# Altium PCB PCB1.PcbDoc
Units mm, origin at the board's own origin, x right, y up, seen from the top; angles counter-clockwise.
Board outline 110 x 70 mm, 2 copper layers (Top Layer, Bottom Layer); 50 components, 54 nets, 251 pads, 0 vias.
Unrouted connection lines stored in the file: 156.
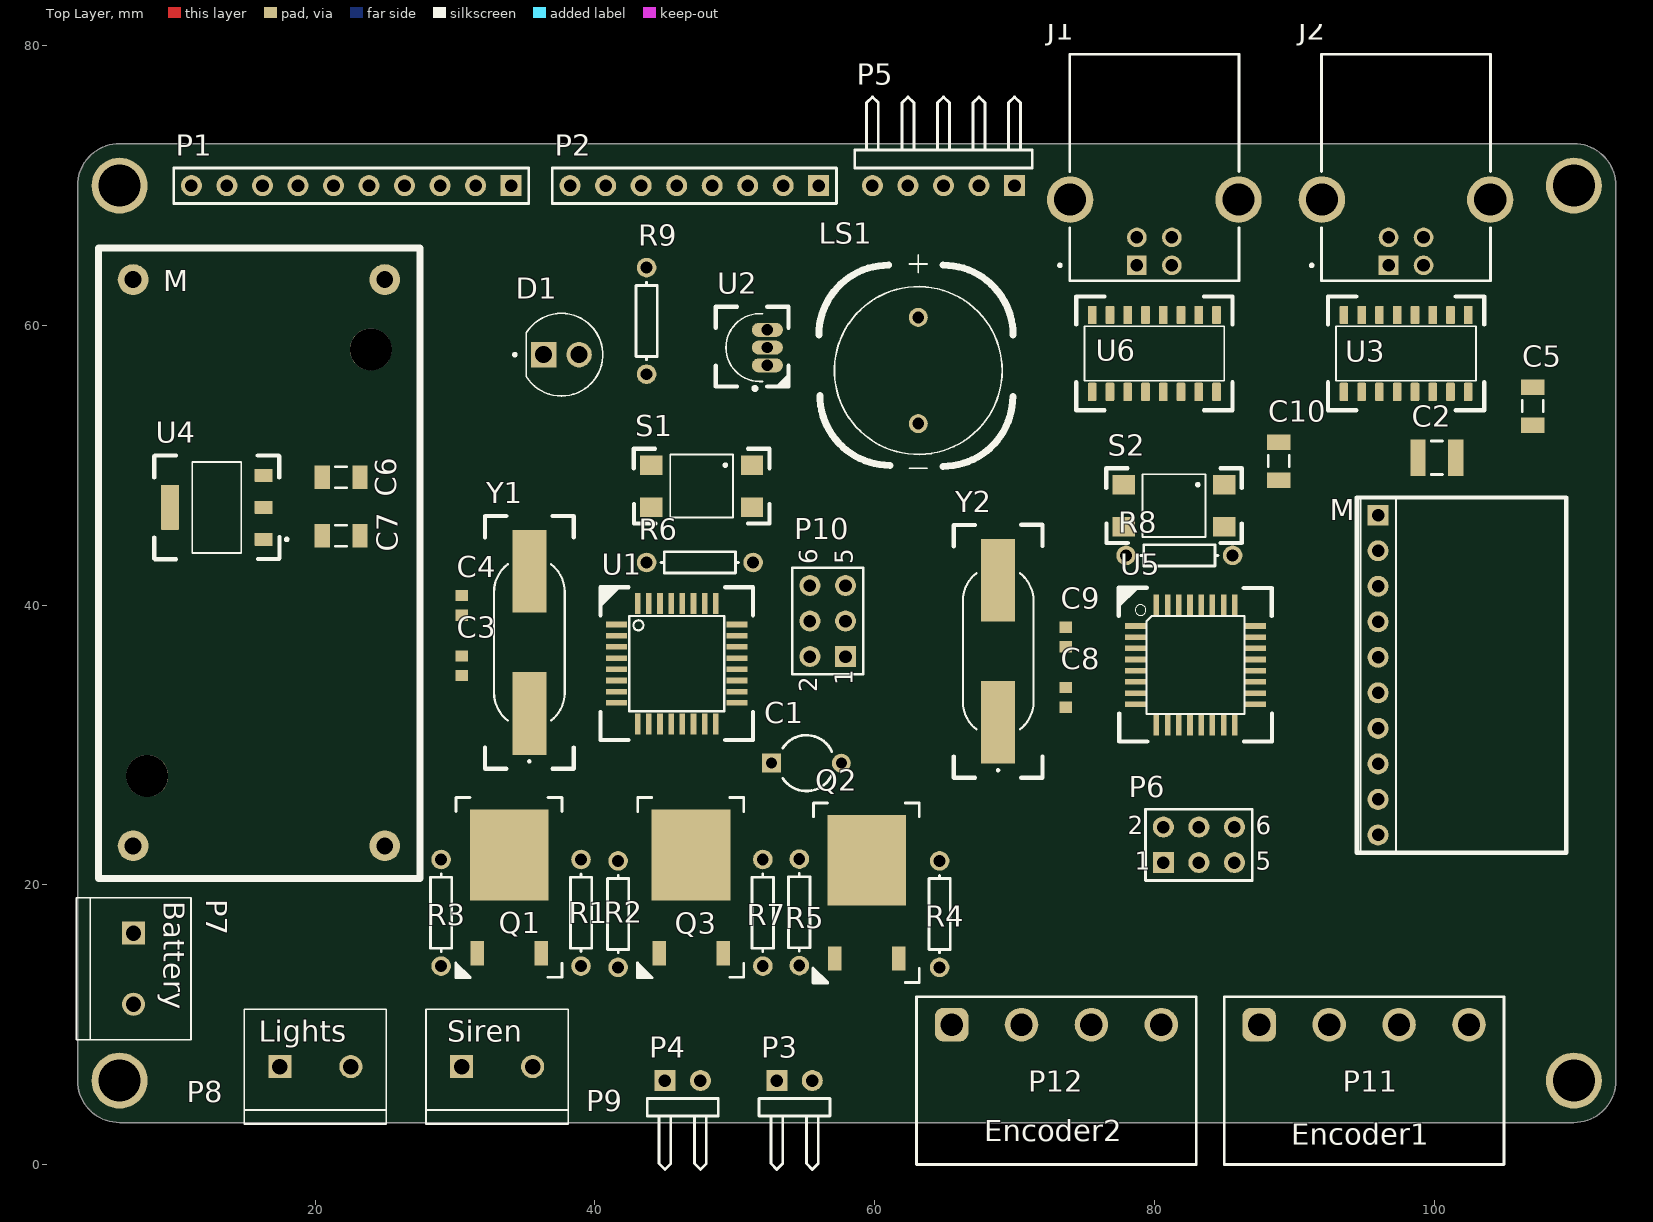
[diagram p0: Top Layer view]
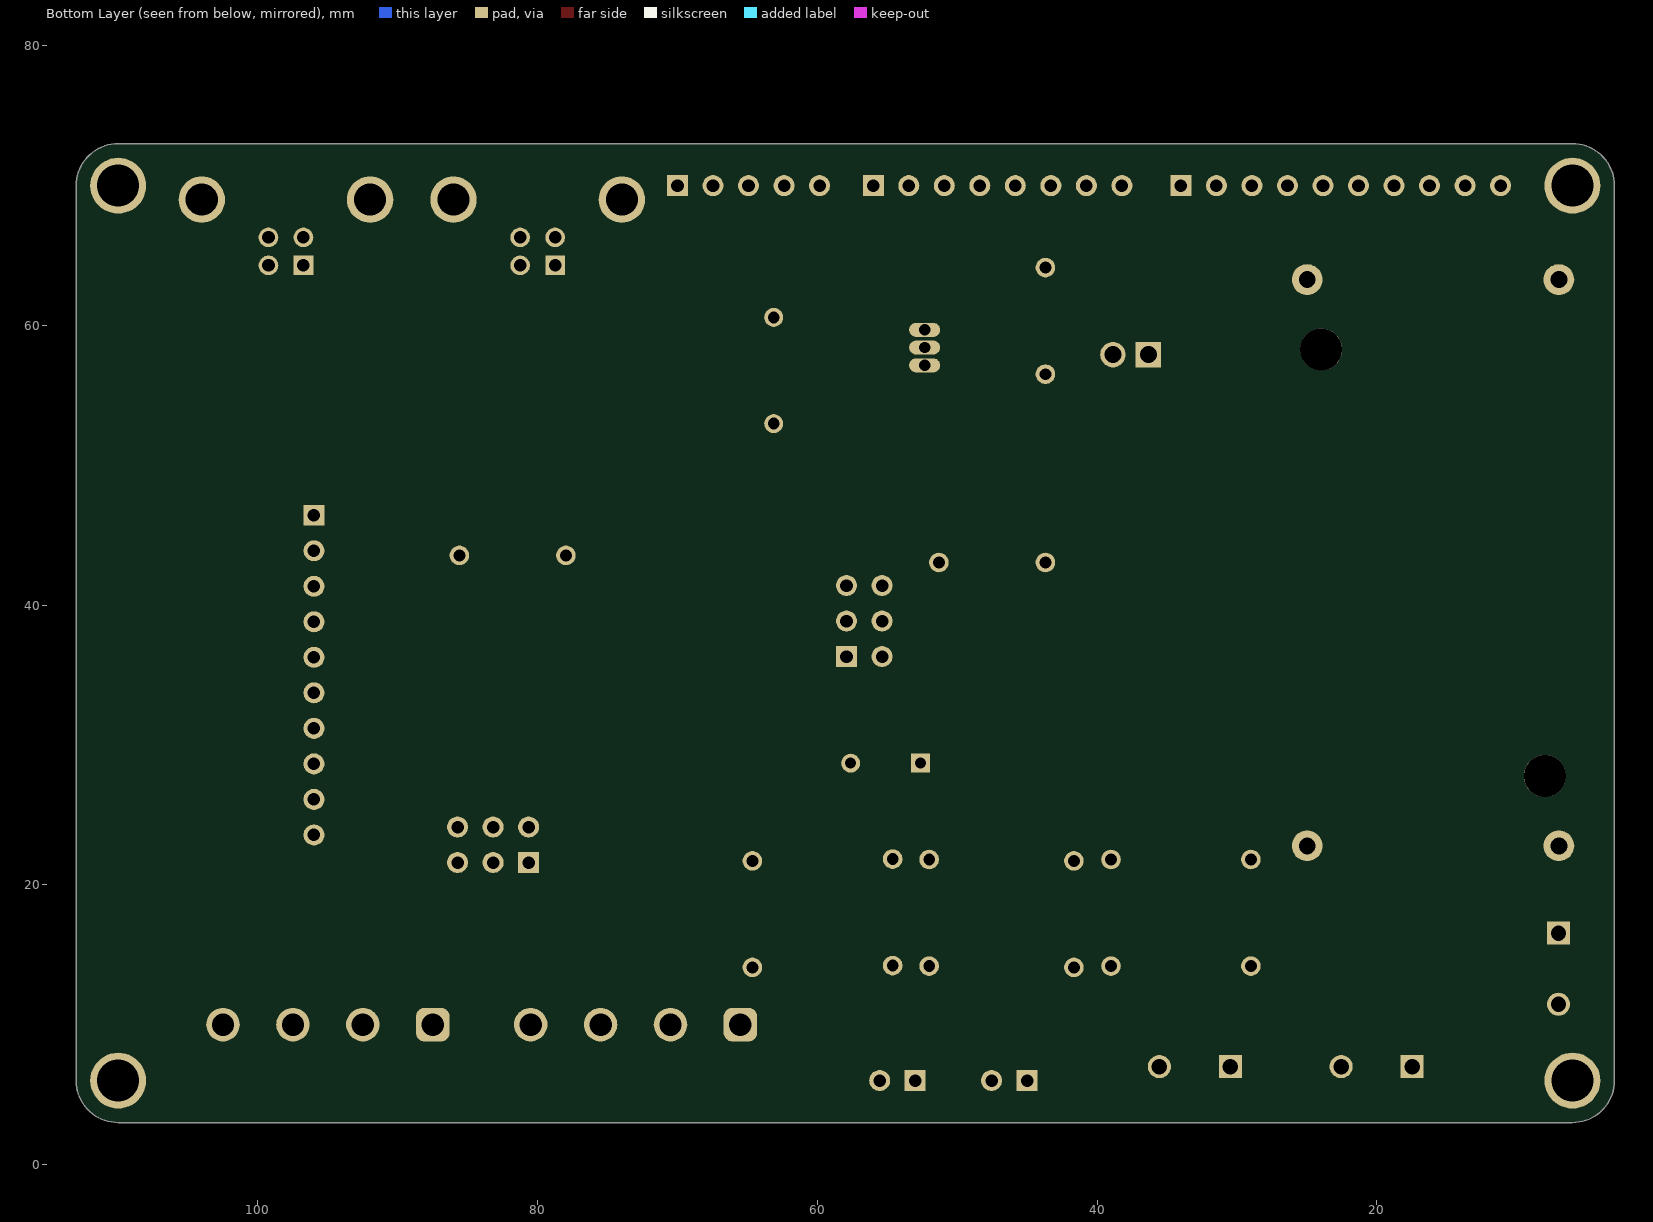
[diagram p1: Bottom Layer view, seen from below]

## Layer stack, top to bottom
Top Solder: solder mask 0.0102, Solder Resist, Dk 3.5
Top Layer: signal copper 0.0356
Dielectric 1: dielectric 0.32, FR-4, Dk 4.8
Bottom Layer: signal copper 0.0356
Bottom Solder: solder mask 0.0102, Solder Resist, Dk 3.5

## Board outline
3,6 3,70 cw(c6,70) 6,73 110,73 cw(c110,70) 113,70 113,6 cw(c110,6) 110,3 6,3 cw(c6,6)

## Design rules (kind name [scope] priority, off if disabled: settings)
Clearance [All] p1: gap=0.6 ignorepadtopadclearanceinfootprint=TRUE
PolygonConnect [All] p1: connectstyle=Relief reliefconductorwidth=0.254 reliefentries=4 polygonreliefangle="90 Angle" airgapwidth=0.254
RoutingVias [All] p1: holewidth=0.711 width=1.27 viastyle="Through Hole" minholewidth=0.711 minwidth=1.27 maxholewidth=0.711 maxwidth=1.27
SolderMaskExpansion [All] p1: expansion=0.102 istentingtop=FALSE
Width [All] p1: maxlimit=1 minlimit=0.4 preferedwidth=0.4
30 further rules are at their usual default settings.

## Classes and differential pairs
component class "Main MCU": C1 C2 C3 C4 C5 C6 C7 D1 J2 LS1 M P1 P2 P3 P4 P5 P6 P7 P8 P9 Q1 Q2 Q3 R1 R2 R3 R4 R5 R6 R7 R9 S1 U1 U2 U3 U4 Y1
component class "Localization MCU": C8 C9 C10 J1 M P10 P11 P12 R8 S2 U5 U6 Y2

## Components (designator, comment, footprint, x,y, rotation, side; value= is the part's Value field where it differs from the comment)
C1 "Cap2" CAPR5-4X5 55.118,28.702 r0 top value=0.1uF
C2 "Cap Semi" C1210 100.203,50.546 r180 top value=10uF
C3 "Cap Semi" 1608[0603] 30.48,35.662 r90 top value=22pF
C4 "Cap Semi" 1608[0603] 30.48,39.98 r90 top value=22pF
C5 "Cap Semi" C1206 107.061,54.229 r270 top value=0.1uF
C6 "Cap" C1206 21.844,49.149 r0 top locked value=10uF
C7 "Cap" C1206 21.844,44.958 r0 top locked value=10uF
C8 "Cap Semi" 1608[0603] 73.66,33.401 r90 top value=22pF
C9 "Cap Semi" 1608[0603] 73.66,37.719 r90 top value=22pF
C10 "Cap Semi" C1206 88.9,50.292 r90 top value=0.1uF
D1 "Power" LEDRD254W57D500H1070 37.592,57.912 r0 top
J1 "USB-B" SAMTEC_USB-B-S-X-X-TH 80,69 r180 top locked
J2 "USB-B" SAMTEC_USB-B-S-X-X-TH 98,69 r180 top locked
LS1 "Buzzer" XDCR_AI-1223-TWT-12V-R 63.119,56.779 r0 top
M "LM2596 Buck Converter" "LM2596 Buck" 16,43 r90 top locked
M "MPU9250 Module" "MPU9250 Module" 96,35 r270 top
P1 "Wireless Hub" HDR1X10 34,70 r180 top locked
P2 "Dashboard" HDR1X8 56,70 r180 top locked
P3 "Header 2H" HDR1X2H 53,6 r0 top
P4 "Header 2H" HDR1X2H 45,6 r0 top
P5 "Motor Driver" HDR1X5H 70,70 r180 top locked
P6 "ISP" HDR2X3 80.645,21.59 r0 top
P7 "Battery" TE_282837-2 7,14 r270 top locked
P8 "Lights" TE_282837-2 20,7 r0 top locked
P9 "Siren" TE_282837-2 33,7 r0 top locked
P10 "ISP" HDR2X3 57.912,36.322 r90 top
P11 "Encoder1" 691312710004 95,6 r0 top
P12 "Encoder2" 691312710004 73,6 r0 top
Q1 "NMOS-2" SM3113 34,22 r0 top
Q2 "NMOS-2" SM3113 59.562,21.625 r0 top
Q3 "NMOS-2" SM3113 47,22 r0 top
R1 "Res1" AXIAL-0.3 39,18 r90 top value=1K
R2 "Res1" AXIAL-0.3 41.656,17.907 r90 top value=1K
R3 "Res1" AXIAL-0.3 29,18 r270 top value=1K
R4 "Res1" AXIAL-0.3 64.643,17.907 r90 top value=1K
R5 "Res1" AXIAL-0.3 54.61,18.034 r270 top value=1K
R6 "Res1" AXIAL-0.3 47.498,43.053 r180 top value=1K
R7 "Res1" AXIAL-0.3 52,18 r90 top value=1K
R8 "Res1" AXIAL-0.3 81.788,43.561 r180 top value=1K
R9 "Res1" AXIAL-0.3 43.688,60.325 r90 top value=100
S1 "SW-PB" SW_TL3305AF160QG 47.625,48.514 r180 top
S2 "SW-PB" SW_TL3305AF160QG 81.407,47.117 r180 top
U1 "ATMEGA328P-AU" QFP80P900X900X120-32N 45.847,35.814 r0 top
U2 "DS18B20" TO-92-TO92127P495H2044-3 51.562,58.42 r90 top
U3 "CH340C" SOIC127P600X180-16N 98,58 r90 top
U4 "AMS1117-3.3" SOT229P700X180-4N 12.954,46.99 r180 top locked
U5 "MCU-ATMEGA8A-AU(TQFP32)" TQFP32-0.8-7X7MM 82.95,35.712 r0 top
U6 "CH340C" SOIC127P600X180-16N 80,58 r90 top
Y1 "16MHz Crystal" H32_RAM 35.306,37.338 r90 top
Y2 "16MHz Crystal" H32_RAM 68.834,36.703 r90 top

## Footprints (in the part's own frame and the unit in brackets; to place one, negate y for a bottom-side part, rotate by r counter-clockwise, add the part's x,y. Pads: shape width x height; smd on the part's side, far side on the other; paste and mask are expansions set on the pad)
1608[0603] [mm] "Chip Capacitor, Body 1.6x0.8mm, IPC High Density"
  rect 0.8x0.9 smd: 1(-0.7,0) 2(0.7,0)
  body extent -0.87,-0.48 0.87,0.48, height 1.3
691312710004 [mm] "5.00mm - Open Horizhontal PCB Header - 04p"
  rrect50% 2.4x2.4 hole 1.6: 1(-7.5,4)
  round 2.4 hole 1.6: 2(-2.5,4) 3(2.5,4) 4(7.5,4)
  silkscreen extent -10,-6 10,6, body extent -10,-6 10,6, height 8.55
AXIAL-0.3 [mm] "Axial Device, Thru-Hole; 2 Leads; 0.3 in Pin Spacing"
  round 1.4 hole 0.85: 1(-3.81,0) 2(3.81,0)
  silkscreen extent -2.77,-0.76 2.77,0.76
C1206 [mm] "Chip Capacitor, Body 3.2x1.6mm, IPC High Density"
  rect 1.1x1.7 smd: 1(-1.35,0) 2(1.35,0)
  silkscreen extent -0.4,-0.75 0.4,0.75, body extent -1.7,-0.9 1.7,0.9, height 1.3
C1210 [mm] "Chip Capacitor, Body 3.2x2.5mm, IPC High Density"
  rect 1.1x2.6 smd: 1(-1.35,0) 2(1.35,0)
  silkscreen extent -0.4,-1.2 0.4,1.2, body extent -1.7,-1.35 1.7,1.35, height 1.3
CAPR5-4X5 [mm] "Capacitor; 2 Leads"
  rect 1.35x1.35 hole 0.8: 1(-2.5,0)
  round 1.35 hole 0.8: 2(2.5,0)
  silkscreen extent -1.69,-2 1.82,2
H32_RAM [mm]
  rect 5.912x2.432 smd paste+0 mask+0: 1(-5.088,0) 2(5.088,0)
  silkscreen extent -9.04,-3.18 9.04,3.18, body extent -7.54,-2.4 7.54,2.4, height 3.25
HDR1X2H [mm] "Connector; Header; 2 Position; Right Angle"
  rect 1.5x1.5 hole 0.9: 1(0,0)
  round 1.5 hole 0.9: 2(2.54,0)
  silkscreen extent -1.27,-6.35 3.81,-1.27
HDR1X5H [mm] "Connector; Header; 5 Position; Right Angle"
  rect 1.5x1.5 hole 0.9: 1(0,0)
  round 1.5 hole 0.9: 2(2.54,0) 3(5.08,0) 4(7.62,0) 5(10.16,0)
  silkscreen extent -1.27,-6.35 11.43,-1.27
HDR1X8 [mm] "Connector; Header; 8 Position"
  rect 1.5x1.5 hole 0.9: 1(0,0)
  round 1.5 hole 0.9: 2(2.54,0) 3(5.08,0) 4(7.62,0) 5(10.16,0) 6(12.7,0) 7(15.24,0) 8(17.78,0)
  silkscreen extent -1.27,-1.27 19.05,1.27
HDR1X10 [mm] "Connector; Header; 10 Position"
  rect 1.5x1.5 hole 0.9: 1(0,0)
  round 1.5 hole 0.9: 2(2.54,0) 3(5.08,0) 4(7.62,0) 5(10.16,0) 6(12.7,0) 7(15.24,0) 8(17.78,0) 9(20.32,0) 10(22.86,0)
  silkscreen extent -1.27,-1.27 24.13,1.27
HDR2X3 [mm] "Connector; Header; 3x2 Position"
  rect 1.5x1.5 hole 0.9: 1(0,0)
  round 1.5 hole 0.9: 2(0,2.54) 3(2.54,0) 4(2.54,2.54) 5(5.08,0) 6(5.08,2.54)
  silkscreen extent -1.27,-1.27 6.35,3.81
LEDRD254W57D500H1070 [mm]
  round 1.815 hole 1.21: A(1.27,0)
  rect 1.815x1.815 / inner round 1.815 / far side rect 1.815x1.815 hole 1.21: C(-1.27,0)
  silkscreen extent -3.43,-2.96 2.96,2.96, body extent -2.6,-2.95 2.95,2.95, height 9.1
"LM2596 Buck" [mm]
  round 2.2 hole 1.2: 1(-20.214,9.029) 2(-20.214,-8.971) 3(20.286,-8.971) 4(20.286,9.029)
  round 3 hole 3: ""(-15.214,8.029) ""(15.286,-7.971)
  silkscreen extent -22.55,-11.5 22.55,11.5, body extent -21.93,-10.63 21.67,10.67, height 16.8
"MPU9250 Module" [mm]
  rect 1.5x1.5 hole 0.9: 1(-11.43,0)
  round 1.5 hole 0.9: 2(-8.89,0) 3(-6.35,0) 4(-3.81,0) 5(-1.27,0) 6(1.27,0) 7(3.81,0) 8(6.35,0) 9(8.89,0) 10(11.43,0)
  silkscreen extent -12.7,-1.52 12.7,13.46, body extent -12.7,-1.53 12.7,13.47, height 6.09
QFP80P900X900X120-32N [mm]
  rect 1.5x0.4 smd: 1(-4.3,2.8) 2(-4.3,2) 3(-4.3,1.2) 4(-4.3,0.4) 5(-4.3,-0.4) 6(-4.3,-1.2) 7(-4.3,-2) 8(-4.3,-2.8) 17(4.3,-2.8) 18(4.3,-2) 19(4.3,-1.2) 20(4.3,-0.4) 21(4.3,0.4) 22(4.3,1.2) 23(4.3,2) 24(4.3,2.8)
  rect 0.4x1.5 smd: 9(-2.8,-4.3) 10(-2,-4.3) 11(-1.2,-4.3) 12(-0.4,-4.3) 13(0.4,-4.3) 14(1.2,-4.3) 15(2,-4.3) 16(2.8,-4.3) 25(2.8,4.3) 26(2,4.3) 27(1.2,4.3) 28(0.4,4.3) 29(-0.4,4.3) 30(-1.2,4.3) 31(-2,4.3) 32(-2.8,4.3)
  silkscreen extent -5.46,-5.46 5.46,5.46, body extent -4.5,-4.5 4.5,4.5, height 1.21
SAMTEC_USB-B-S-X-X-TH [mm]
  rect 1.408x1.408 hole 0.9: 1(1.25,4.7)
  round 1.408 hole 0.9: 2(-1.25,4.7) 3(-1.25,2.7) 4(1.25,2.7)
  round 3.316 hole 2.3: S1(-6.02,0) S2(6.02,0)
  silkscreen extent -6.05,-10.4 6.85,5.8, body extent -7.34,-10.54 7.16,5.96, height 10.7
SM3113 [mm]
  rect 0.96x1.73 smd: 1(-2.412,-6.893) 3(2.158,-6.893)
  rect 5.63x6.49 smd paste-4: 2(-0.127,0.127)
  silkscreen extent -3.96,-8.64 3.63,4.24, body extent -3.4,-7.15 3.14,2.76, height 2.7
SOIC127P600X180-16N [mm]
  rrect25% 1.31x0.62 smd: 1(-2.75,4.445) 2(-2.75,3.175) 3(-2.75,1.905) 4(-2.75,0.635) 5(-2.75,-0.635) 6(-2.75,-1.905) 7(-2.75,-3.175) 8(-2.75,-4.445) 9(2.75,-4.445) 10(2.75,-3.175) 11(2.75,-1.905) 12(2.75,-0.635) 13(2.75,0.635) 14(2.75,1.905) 15(2.75,3.175) 16(2.75,4.445)
  silkscreen extent -4.06,-5.59 4.06,5.59, body extent -3,-5 3,5, height 1.8
SOT229P700X180-4N [mm]
  rrect15% 1.31x0.93 smd: 1(-3.345,2.29) 2(-3.345,0) 3(-3.345,-2.29)
  rrect15% 1.31x3.24 smd: 4(3.345,0)
  silkscreen extent -5.1,-3.71 4.47,3.71, body extent -3.5,-3.25 3.5,3.25, height 1.8
SW_TL3305AF160QG [mm]
  rect 1.6x1.4 smd: 1(-3.6,-1.5) 2(3.6,-1.5) 3(-3.6,1.5) 4(3.6,1.5)
  silkscreen extent -4.85,-2.67 4.85,2.67, body extent -3.6,-2.25 3.9,2.25, height 3.8
TE_282837-2 [mm]
  rect 1.65x1.65 / inner round 1.65 / far side rect 1.65x1.65 hole 1.1: 1(-2.54,0)
  round 1.65 hole 1.1: 2(2.54,0)
  silkscreen extent -5.08,-4.1 5.08,4.1, body extent -5.68,-4.1 5.08,4.1, height 10
TO-92-TO92127P495H2044-3 [mm]
  oval 1x2.22 hole 0.8: 1(-1.27,-0.76) 2(0,-0.76) 3(1.27,-0.76)
  silkscreen extent -3.05,-2.29 2.92,2.92, body extent -2.28,-1.78 2.29,1.84, height 20.45
TQFP32-0.8-7X7MM [mm]
  rect 1.5x0.4 smd: 1(-4.293,2.8) 2(-4.293,2) 3(-4.293,1.2) 4(-4.293,0.4) 5(-4.293,-0.4) 6(-4.293,-1.2) 7(-4.293,-2) 8(-4.293,-2.8) 17(4.293,-2.8) 18(4.293,-2) 19(4.293,-1.2) 20(4.293,-0.4) 21(4.293,0.4) 22(4.293,1.2) 23(4.293,2) 24(4.293,2.8)
  rect 0.4x1.5 smd: 9(-2.8,-4.293) 10(-2,-4.293) 11(-1.2,-4.293) 12(-0.4,-4.293) 13(0.4,-4.293) 14(1.2,-4.293) 15(2,-4.293) 16(2.8,-4.293) 25(2.8,4.293) 26(2,4.293) 27(1.2,4.293) 28(0.4,4.293) 29(-0.4,4.293) 30(-1.2,4.293) 31(-2,4.293) 32(-2.8,4.293)
  silkscreen extent -5.5,-5.46 5.46,5.53, body extent -4.5,-4.5 4.5,4.5, height 1.21
XDCR_AI-1223-TWT-12V-R [mm]
  round 1.358 hole 0.85: N(0,-3.8) P(0,3.8)
  silkscreen extent -7.11,-6.98 6.78,8.25, body extent -6,-6 6,7.44, height 9.56

## Part data
C1: "Capacitor", PackageDescription="Capacitor; 2 Leads", PackageReference=CAPR5-4X5, Published=23-Sep-2002, Publisher="Altium Limited"
C2 C3 C4 C5 C8 C9 C10: "Capacitor (Semiconductor SIM Model)", LatestRevisionDate=29-May-2009, LatestRevisionNote="IPC-7351 Footprint Added.", PackageDescription="Chip Capacitor", PackageReference=C1206, Published=8-Jun-2000, Publisher="Altium Limited"
C6 C7: library part "Cap Semi", "Capacitor (Semiconductor SIM Model)", LatestRevisionDate=29-May-2009, LatestRevisionNote="IPC-7351 Footprint Added.", PackageDescription="Chip Capacitor", PackageReference=C1206, Published=8-Jun-2000, Publisher="Altium Limited"
D1: library part L08R5000Q1, "LED, 5MM, ORANGE; LED / Lamp Size: 5mm / T-1 3/4; LED Colour: Orange; Typ Luminous Intensity: 4.3mcd; Viewing Angle: ...", Package=None, Availability="In Stock", Check_prices=https://www.snapeda.com/parts/L08R5000Q1/LED+Technology/view-part/?ref=eda, MF="LED Technology", MP=L08R5000Q1, Price=None, SnapEDA_Link=https://www.snapeda.com/parts/L08R5000Q1/LED+Technology/view-part/?ref=snap
J1 J2: library part USB-B-S-X-X-TH, "USB-B (USB TYPE-B) USB 2.0 Receptacle Connector 4 Position Through Hole, Right Angle", Package=None, Check_prices=https://www.snapeda.com/parts/USB-B-S-S-B-TH/Samtec+Inc./view-part/?ref=eda, Digi-Key_Part_Number=SAM10869-ND, MF=Samtec, MP=USB-B-S-S-B-TH, Purchase-URL=https://pricing.snapeda.com/search/part/USB-B-S-S-B-TH/?ref=eda, SnapEDA_Link=https://www.snapeda.com/parts/USB-B-S-S-B-TH/Samtec+Inc./view-part/?ref=snap
LS1: library part AI-1223-TWT-12V-R, "ELECTRO-MECHANICAL AUDIO INDICATOR", Package=None, Availability="In Stock", Check_prices=https://www.snapeda.com/parts/AI-1223-TWT-12V-R/PUI+Audio%252C+Inc./view-part/?ref=eda, MF="PUI Audio,", MP=AI-1223-TWT-12V-R, Price=None, Purchase-URL=https://pricing.snapeda.com/search/part/AI-1223-TWT-12V-R/?ref=eda, SnapEDA_Link=https://www.snapeda.com/parts/AI-1223-TWT-12V-R/PUI+Audio%252C+Inc./view-part/?ref=snap
P1: library part "Header 10", "Header, 10-Pin", LatestRevisionDate=17-Jul-2002, LatestRevisionNote="Re-released for DXP Platform.", Publisher="Altium Limited"
P2: library part "Header 8", "Header, 8-Pin", LatestRevisionDate=17-Jul-2002, LatestRevisionNote="Re-released for DXP Platform.", Publisher="Altium Limited"
P3 P4: "Header, 2-Pin, Right Angle", LatestRevisionDate=17-Jul-2002, LatestRevisionNote="Re-released for DXP Platform.", Publisher="Altium Limited"
P5: library part "Header 5H", "Header, 5-Pin, Right Angle", LatestRevisionDate=17-Jul-2002, LatestRevisionNote="Re-released for DXP Platform.", Publisher="Altium Limited"
P6 P10: library part "Header 3X2", "Header, 3-Pin, Dual row", LatestRevisionDate=17-Jul-2002, LatestRevisionNote="Re-released for DXP Platform.", Publisher="Altium Limited"
P7 P8 P9: library part 282837-2, "Ð Ð°Ð·ÑŠÐµÐ¼Ð½Ñ‹Ðµ ÐºÐ»ÐµÐ¼Ð¼Ð½Ñ‹Ðµ ÐºÐ¾Ð»Ð¾Ð´ÐºÐ¸ Ð Ð¾Ð·ÐµÑ‚ÐºÐ° 2 Ð¿Ð¾Ð»Ð¾Ð¶ÐµÐ½Ð¸Ñ 5,08 Ð¼Ð¼ ÐŸÑ€Ð¸Ð¿Ð¾Ð¹ Ð¿Ñ€ÑÐ¼Ð¾Ð¹ Ñ‡ÐµÑ€ÐµÐ· Ð¾Ñ‚Ð²ÐµÑ€ÑÑ‚Ð¸Ðµ 13,5 Ð / ÐºÐ¾Ð½Ñ‚Ð°ÐºÑ‚", Package=None, Availability="In Stock", Check_prices=https://www.snapeda.com/parts/282837-2/TE+Connectivity+AMP+Connectors/view-part/?ref=eda, MF="TE Connectivity", MP=282837-2, Price=None, Purchase-URL=https://pricing.snapeda.com/search/part/282837-2/?ref=eda, SnapEDA_Link=https://www.snapeda.com/parts/282837-2/TE+Connectivity+AMP+Connectors/view-part/?ref=snap
P11 P12: library part 691312710004, "WR-TBL Series 3127 Open Horizontal PCB Header, THT, pitch 5mm, 4p", Manufacturer="Wurth Elektronik", Operating Temperature Max=105°C, Operating Temperature Min=-40°C, Rated Current=20A, Working Voltage=300V, Application=Pluggable, Category="Terminal Blocks", ComponentLink1Description="Website Link", ComponentLink1URL=https://www.we-online.com/redexpert/article/691312710004?ad, ComponentLink2Description="Datasheet Link", ComponentLink2URL=https://www.we-online.com/redexpert/spec/691312710004?ad, Manufacturer Part Number=691312710004, Match Code=WR-TBL, Modularity=No, Mount="Through Hole", Number of Pins=4, Number of Rows=1, Orientation=Horizontal, Packaging=Box, Pitch=5mm
Q1 Q2 Q3: "N-Channel Power MOSFET", ComponentLink1Description="Manufacturer Link", ComponentLink1URL=http://www.irf.com/, DatasheetVersion=PD-9.814, LatestRevisionDate=17-Jul-2002, LatestRevisionNote="Re-released for DXP Platform.", Note="Pin 2 is electrically connected to pin 4.", PackageDescription="TO, Thru-Hole, Vertical, Heatsink Mounted; 3 In-Line Leads; Pitch 2.54 mm", PackageReference=TO-220AB, PackageVersion=Feb-1997, Published=8-Jun-2000, Publisher="Altium Limited"
R1 R2 R3 R4 R5 R6 R7 R8 R9: "Resistor", LatestRevisionDate=17-Jul-2002, LatestRevisionNote="Re-released for DXP Platform.", PackageDescription="Axial Device, Thru-Hole; 2 Leads; 0.3 in Pin Spacing", PackageReference=AXIAL-0.3, Published=8-Jun-2000, Publisher="Altium Limited"
S1 S2: "Switch", LatestRevisionDate=17-Jul-2002, LatestRevisionNote="Re-released for DXP Platform.", PackageDescription="Switch; 2 Leads", PackageReference=SPST-2, Published=24-Mar-1999, Publisher="Altium Limited"
U1: "AVR AVRÂ® ATmega Microcontroller IC 8-Bit 20MHz 32KB (16K x 16) FLASH 32-TQFP (7x7)", Package="TQFP-32 Microchip", Availability="In Stock", Check_prices=https://www.snapeda.com/parts/ATMEGA328P-AU/Microchip/view-part/?ref=eda, MF="Microchip Technology", MP=ATMEGA328P-AU, Price=None, Purchase-URL=https://pricing.snapeda.com/search/part/ATMEGA328P-AU/?ref=eda, SnapEDA_Link=https://www.snapeda.com/parts/ATMEGA328P-AU/Microchip/view-part/?ref=snap
U2: "Temperature Sensor Digital, Local -55Â°C ~ 125Â°C 12 b 8-uMAX-EP", Package="TO-226-3 Maxim", Availability="In Stock", Check_prices=https://www.snapeda.com/parts/DS18B20/Maxim+Integrated/view-part/?ref=eda, MF=Maxim, MP=DS18B20, Price=None, Purchase-URL=https://pricing.snapeda.com/search/part/DS18B20/?ref=eda, SnapEDA_Link=https://www.snapeda.com/parts/DS18B20/Maxim+Integrated/view-part/?ref=snap
U3 U6: "USB to serial chip CH340", Package=None, Availability="Not in stock", Check_prices=https://www.snapeda.com/parts/CH340C/WCH/view-part/?ref=eda, MF=WCH, MP=CH340C, Price=None, SnapEDA_Link=https://www.snapeda.com/parts/CH340C/WCH/view-part/?ref=snap
U4: "Sot223/Pkg 1-Amp 3.3-Volt Low Drop Out Voltage Regulatator", Package="SOT-223 Seeed Technology", Availability="Not in stock", Check_prices=https://www.snapeda.com/parts/AMS1117-3.3/Advanced+Monolithic+Systems/view-part/?ref=eda, MF="Advanced Monolithic Systems", MP=AMS1117-3.3, Price=None, SnapEDA_Link=https://www.snapeda.com/parts/AMS1117-3.3/Advanced+Monolithic+Systems/view-part/?ref=snap
U5: "AVR AVRÂ® ATmega Microcontroller IC 8-Bit 16MHz 8KB (4K x 16) FLASH", Package="TQFP-32 Microchip", Availability=Good, Check_prices=https://www.snapeda.com/parts/ATMEGA8A-AU/Microchip/view-part/49714/?ref=eda, MF=Microchip, MP=ATMEGA8A-AU, Price=None, Purchase-URL=https://pricing.snapeda.com/search/part/ATMEGA8A-AU/?ref=eda, SnapEDA_Link=https://www.snapeda.com/parts/ATMEGA8A-AU/Microchip/view-part/49714/?ref=snap
Y1 Y2: library part HC49/US-10.244MHZ-16PF-30-EXT-SMD-H32-TR, "No Description Available", Mfr_Name="Rami Technology", Copyright="Copyright (C) 2023 Ultra Librarian. All rights reserved.", Manufacturer_Part_Number=HC49/US-10.244MHZ-16PF-30-EXT-SMD-H32-TR, RefDes=RefDes, Type=DEV

## Free pads (board coordinates)
  round 4 hole 3: 19(6,6) 19(6,70) 19(110,6) 19(110,70)

## Nets (pads, with @x,y where several pads share a name; then routed paths per layer and width w, separated by ;. In a path a pad name is that pad's centre, name@x,y a point inside that pad or via, vN(x,y) a via of type N, cw(c..) or ccw(c..) an arc to the next point about the centre after c; other vN are vias at no path point)
+3.3: C7.1 D1.A P1.1 U4.2
+5: C2.1 C6.1 J1.1 J2.1 M.1@96,46.43 M.4@6.971,63.286 P2.1 P6.2 P10.2 P11.1 P12.1 R6.2 R8.2 U1.4 U1.6 U1.18 U2.3 U3.16 U4.3 U5.4 U5.6 U5.18 U5.20 U6.16
CSN: P1.7 U1.13 U1.14 U5.14
GND: C1.2 C2.2 C3.2 C4.2 C5.2 C6.2 C7.2 C8.2 C9.2 C10.2 J1.4 J1.S1 J1.S2 J2.4 J2.S1 J2.S2 LS1.N M.2 M.3@24.971,63.286 P1.2 P2.2 P5.5 P6.6 P7.2 P10.6 P11.2 P12.2 pad.19@110,70 Q1.3 Q2.3 Q3.3 R3.1 R5.1 R7.1 R9.2 S1.3 S1.4 S2.3 S2.4 U1.3 U1.5 U1.21 U2.1 U3.1 U4.1 U5.3 U5.5 U5.21 U6.1
MISO: P1.5 P6.1 P10.1 U1.16 U5.16
MOSI: P1.6 P6.4 P10.4 U1.15 U5.15
NetC1_1: C1.1 U1.20
NetC5_1: C5.1 U3.4
NetC10_1: C10.1 U6.4
NetD1_C: D1.C R9.1
NetJ1_2: J1.2 U6.6
NetJ1_3: J1.3 U6.5
NetJ2_2: J2.2 U3.6
NetJ2_3: J2.3 U3.5
NetLS1_P: LS1.P U1.2
NetM_3: M.3@96,41.35 U5.28
NetM_4: M.4@96,38.81 U5.27
NetP1_3: P1.3 U1.32
NetP2_3: P2.3 U1.28
NetP2_4: P2.4 U1.27
NetP2_5: P2.5 U1.23
NetP2_6: P2.6 U1.24
NetP2_7: P2.7 U1.25
NetP3_1: P3.1 P4.2 Q2.2
NetP5_1: P5.1 U1.19
NetP5_2: P5.2 U1.9
NetP5_3: P5.3 U1.22
NetP5_4: P5.4 U1.10
NetP6_5: P6.5 R6.1 S1.1 S1.2 U1.29
NetP8_2: P8.2 Q1.2
NetP9_2: P9.2 Q3.2
NetP10_5: P10.5 R8.1 S2.1 S2.2 U5.29
NetP11_3: P11.3 U5.32
NetP11_4: P11.4 U5.1
NetP12_3: P12.3 U5.2
NetP12_4: P12.4 U5.9
NetQ1_1: Q1.1 R1.1 R3.2
NetQ2_1: Q2.1 R4.1 R5.2
NetQ3_1: Q3.1 R2.1 R7.2
NetR1_2: R1.2 U1.11
NetR2_2: R2.2 U1.1
NetR4_2: R4.2 U1.12
NetU1_26: U1.26 U2.2
NetU5_30: U5.30 U6.3
NetU5_31: U5.31 U6.2
RX: P1.10 U1.31 U3.3
SCK: P1.4 P6.3 P10.3 U1.17 U5.17
SET: P1.8
TX: P1.9 U1.30 U3.2
VBat: M.1@6.971,22.786 P3.2 P4.1 P7.1 P8.1 P9.1
XTAL1: C4.1 U1.7 Y1.2
XTAL2: C3.1 U1.8 Y1.1
XTAL11: C9.1 U5.7 Y2.2
XTAL22: C8.1 U5.8 Y2.1
pads on no net: M. M.5 M.6 M.7 M.8 M.9 M.10 P2.8 U3.7 U3.8 U3.9 U3.10 U3.11 U3.12 U3.13 U3.14 U3.15 U4.4 U5.10 U5.11 U5.12 U5.13 U5.19 U5.22 U5.23 U5.24 U5.25 U5.26 U6.7 U6.8 U6.9 U6.10 U6.11 U6.12 U6.13 U6.14 U6.15

## Silkscreen, mask and mechanical layers (free items; w line width, h text height)
Mechanical 1:
  the board outline again, w0.01

## Text inside footprints (layer, text, board x,y; h text height)
P6: Top Overlay "6" at 87.249,23.622 h1.27; Top Overlay "5" at 87.249,21.082 h1.27; Top Overlay "2" at 78.105,23.622 h1.27; Top Overlay "1" at 78.613,21.082 h1.27
P10: Top Overlay "6" at 55.88,42.926 h1.27 r90; Top Overlay "5" at 58.42,42.926 h1.27 r90; Top Overlay "2" at 55.88,33.782 h1.27 r90; Top Overlay "1" at 58.42,34.29 h1.27 r90